# KiCad board poly_kb_molecule_16x5.kicad_pcb (continued)
## Routing (per net, layer and track width the routed paths; a pad name or vN(x,y) marks a point on that pad's centre or on a via; arc(x,y) is an arc through that point) (continued)
(no net):
  vias: v1(3.81,19.05) v1(22.86,19.05) v1(41.91,19.05) v1(60.96,19.05) v1(80.01,19.05) v1(99.06,19.05) v1(118.11,19.05) v1(137.16,19.05) v1(156.21,19.05) v1(175.26,19.05) v1(194.31,19.05) v1(213.36,19.05) v1(232.41,19.05) v1(251.46,19.05) v1(270.51,19.05) v1(289.56,19.05)
/Keyboard/sheet605ED2EB/CS: length 2403.4
  Top w0.254: v1(60.2,44.45) 60.41,44.24 v1(61.37,44.24) ; v1(194.5,86.15) 193.25,86.15 v1(193.15,86.25) ; v1(80.2,48.05) 78.95,48.05 v1(78.85,48.15) ; v1(42.32,44.24) 41.36,44.24 v1(41.15,44.45) ; v1(212.6,6.35) 212.81,6.14 v1(213.77,6.14) ; v1(136.4,25.4) 136.61,25.19 v1(137.57,25.19) ; v1(23.27,44.24) 22.31,44.24 v1(22.1,44.45) ; v1(155.45,25.4) 155.66,25.19 v1(156.62,25.19) ; v1(23.27,63.29) 22.31,63.29 v1(22.1,63.5) ; v1(269.75,82.55) 269.96,82.34 v1(270.92,82.34) ; v1(175.67,6.14) 174.71,6.14 v1(174.5,6.35) ; v1(289.75,48.05) 288.5,48.05 v1(288.4,48.15) ; v1(40.75,10.05) 40.85,9.95 v1(42.1,9.95) ; v1(42.32,63.29) 41.36,63.29 v1(41.15,63.5) ; v1(232.6,29) 231.35,29 v1(231.25,29.1) ; v1(193.15,29.1) 193.25,29 v1(194.5,29) ; v1(250.7,6.35) 250.91,6.14 v1(251.87,6.14) ; v1(155.05,29.1) 155.15,29 v1(156.4,29) ; v1(21.7,10.05) 21.8,9.95 v1(23.05,9.95) ; v1(174.1,86.25) 174.2,86.15 v1(175.45,86.15) ; v1(98.3,82.55) 98.51,82.34 v1(99.47,82.34) ; v1(231.65,25.4) 231.86,25.19 v1(232.82,25.19) ; v1(116.95,86.25) 117.05,86.15 v1(118.3,86.15) ; v1(21.7,86.25) 21.8,86.15 v1(23.05,86.15) ; v1(21.7,67.2) 21.8,67.1 v1(23.05,67.1) ; v1(174.1,48.15) 174.2,48.05 v1(175.45,48.05) ; v1(79.25,6.35) 79.46,6.14 v1(80.42,6.14) ; v1(251.87,63.29) 250.91,63.29 v1(250.7,63.5) ; v1(61.37,6.14) 60.41,6.14 v1(60.2,6.35) ; v1(42.1,67.1) 40.85,67.1 v1(40.75,67.2) ; v1(231.25,86.25) 231.35,86.15 v1(232.6,86.15) ; v1(232.6,67.1) 231.35,67.1 v1(231.25,67.2) ; v1(4.22,25.19) 3.26,25.19 v1(3.05,25.4) ; v1(251.87,82.34) 250.91,82.34 v1(250.7,82.55) ; v1(42.1,48.05) 40.85,48.05 v1(40.75,48.15) ; v1(213.55,9.95) 212.3,9.95 v1(212.2,10.05) ; v1(213.77,44.24) 212.81,44.24 v1(212.6,44.45) ; v1(136,29.1) 136.1,29 v1(137.35,29) ; v1(194.5,9.95) 193.25,9.95 v1(193.15,10.05) ; v1(118.3,29) 117.05,29 v1(116.95,29.1) ; v1(61.37,82.34) 60.41,82.34 v1(60.2,82.55) ; v1(250.7,44.45) 250.91,44.24 v1(251.87,44.24) ; v1(117.35,6.35) 117.56,6.14 v1(118.52,6.14) ; v1(79.25,82.55) 79.46,82.34 v1(80.42,82.34) ; v1(118.3,9.95) 117.05,9.95 v1(116.95,10.05) ; v1(22.1,6.35) 22.31,6.14 v1(23.27,6.14) ; v1(155.05,48.15) 155.15,48.05 v1(156.4,48.05) ; v1(213.55,48.05) 212.3,48.05 v1(212.2,48.15) ; v1(155.05,67.2) 155.15,67.1 v1(156.4,67.1) ; v1(213.77,63.29) 212.81,63.29 v1(212.6,63.5) ; v1(80.42,25.19) 79.46,25.19 v1(79.25,25.4) ; v1(232.6,48.05) 231.35,48.05 v1(231.25,48.15) ; v1(98.3,25.4) 98.51,25.19 v1(99.47,25.19) ; v1(156.4,9.95) 155.15,9.95 v1(155.05,10.05) ; v1(194.5,67.1) 193.25,67.1 v1(193.15,67.2) ; v1(79.25,63.5) 79.46,63.29 v1(80.42,63.29) ; v1(61.37,63.29) 60.41,63.29 v1(60.2,63.5) ; v1(42.32,25.19) 41.36,25.19 v1(41.15,25.4) ; v1(156.4,86.15) 155.15,86.15 v1(155.05,86.25) ; v1(137.35,48.05) 136.1,48.05 v1(136,48.15) ; v1(270.7,86.15) 269.45,86.15 v1(269.35,86.25) ; v1(232.82,63.29) 231.86,63.29 v1(231.65,63.5) ; v1(155.45,6.35) 155.66,6.14 v1(156.62,6.14) ; v1(80.42,44.24) 79.46,44.24 v1(79.25,44.45) ; v1(136.4,44.45) 136.61,44.24 v1(137.57,44.24) ; v1(4.22,63.29) 3.26,63.29 v1(3.05,63.5) ; v1(212.2,29.1) 212.3,29 v1(213.55,29) ; v1(251.65,9.95) 250.4,9.95 v1(250.3,10.05) ; v1(270.7,9.95) 269.45,9.95 v1(269.35,10.05) ; v1(40.75,29.1) 40.85,29 v1(42.1,29) ; v1(42.32,6.14) 41.36,6.14 v1(41.15,6.35) ; v1(288.4,29.1) 288.5,29 v1(289.75,29) ; v1(175.45,9.95) 174.2,9.95 v1(174.1,10.05) ; v1(4,67.1) 2.75,67.1 v1(2.65,67.2) ; v1(78.85,29.1) 78.95,29 v1(80.2,29) ; v1(97.9,86.25) 98,86.15 v1(99.25,86.15) ; v1(137.35,86.15) 136.1,86.15 v1(136,86.25) ; v1(61.15,86.15) 59.9,86.15 v1(59.8,86.25) ; v1(270.92,63.29) 269.96,63.29 v1(269.75,63.5) ; v1(269.75,25.4) 269.96,25.19 v1(270.92,25.19) ; v1(251.65,67.1) 250.4,67.1 v1(250.3,67.2) ; v1(118.52,63.29) 117.56,63.29 v1(117.35,63.5) ; v1(288.4,10.05) 288.5,9.95 v1(289.75,9.95) ; v1(155.45,44.45) 155.66,44.24 v1(156.62,44.24) ; v1(289.97,44.24) 289.01,44.24 v1(288.8,44.45) ; v1(22.1,25.4) 22.31,25.19 v1(23.27,25.19) ; v1(231.65,6.35) 231.86,6.14 v1(232.82,6.14) ; v1(269.75,6.35) 269.96,6.14 v1(270.92,6.14) ; v1(118.3,48.05) 117.05,48.05 v1(116.95,48.15) ; v1(250.7,25.4) 250.91,25.19 v1(251.87,25.19) ; v1(193.55,25.4) 193.76,25.19 v1(194.72,25.19) ; v1(3.05,44.45) 3.26,44.24 v1(4.22,44.24) ; v1(212.2,86.25) 212.3,86.15 v1(213.55,86.15) ; v1(99.25,29) 98,29 v1(97.9,29.1) ; v1(213.55,67.1) 212.3,67.1 v1(212.2,67.2) ; v1(231.65,44.45) 231.86,44.24 v1(232.82,44.24) ; v1(4.22,6.14) 3.26,6.14 v1(3.05,6.35) ; v1(42.1,86.15) 40.85,86.15 v1(40.75,86.25) ; v1(80.2,86.15) 78.95,86.15 v1(78.85,86.25) ; v1(59.8,48.15) 59.9,48.05 v1(61.15,48.05) ; v1(22.1,82.55) 22.31,82.34 v1(23.27,82.34) ; v1(288.8,63.5) 289.01,63.29 v1(289.97,63.29) ; v1(136.4,6.35) 136.61,6.14 v1(137.57,6.14) ; v1(4,86.15) 2.75,86.15 v1(2.65,86.25) ; v1(97.9,67.2) 98,67.1 v1(99.25,67.1) ; v1(78.85,67.2) 78.95,67.1 v1(80.2,67.1) ; v1(117.35,44.45) 117.56,44.24 v1(118.52,44.24) ; v1(97.9,10.05) 98,9.95 v1(99.25,9.95) ; v1(2.65,10.05) 2.75,9.95 v1(4,9.95) ; v1(59.8,29.1) 59.9,29 v1(61.15,29) ; v1(98.3,63.5) 98.51,63.29 v1(99.47,63.29) ; v1(2.65,29.1) 2.75,29 v1(4,29) ; v1(212.6,82.55) 212.81,82.34 v1(213.77,82.34) ; v1(288.8,25.4) 289.01,25.19 v1(289.97,25.19) ; v1(21.7,48.15) 21.8,48.05 v1(23.05,48.05) ; v1(270.92,44.24) 269.96,44.24 v1(269.75,44.45) ; v1(231.65,82.55) 231.86,82.34 v1(232.82,82.34) ; v1(99.47,6.14) 98.51,6.14 v1(98.3,6.35) ; v1(137.57,63.29) 136.61,63.29 v1(136.4,63.5) ; v1(212.6,25.4) 212.81,25.19 v1(213.77,25.19) ; v1(136,67.2) 136.1,67.1 v1(137.35,67.1) ; v1(175.67,82.34) 174.71,82.34 v1(174.5,82.55) ; v1(175.45,29) 174.2,29 v1(174.1,29.1) ; v1(194.72,82.34) 193.76,82.34 v1(193.55,82.55) ; v1(3.05,82.55) 3.26,82.34 v1(4.22,82.34) ; v1(137.35,9.95) 136.1,9.95 v1(136,10.05) ; v1(289.75,67.1) 288.5,67.1 v1(288.4,67.2) ; v1(193.55,63.5) 193.76,63.29 v1(194.72,63.29) ; v1(59.8,10.05) 59.9,9.95 v1(61.15,9.95) ; v1(80.2,9.95) 78.95,9.95 v1(78.85,10.05) ; v1(269.35,67.2) 269.45,67.1 v1(270.7,67.1) ; v1(288.8,82.55) 289.01,82.34 v1(289.97,82.34) ; v1(194.5,48.05) 193.25,48.05 v1(193.15,48.15) ; v1(288.4,86.25) 288.5,86.15 v1(289.75,86.15) ; v1(270.7,48.05) 269.45,48.05 v1(269.35,48.15) ; v1(61.15,67.1) 59.9,67.1 v1(59.8,67.2) ; v1(232.6,9.95) 231.35,9.95 v1(231.25,10.05) ; v1(250.3,86.25) 250.4,86.15 v1(251.65,86.15) ; v1(194.72,6.14) 193.76,6.14 v1(193.55,6.35) ; v1(60.2,25.4) 60.41,25.19 v1(61.37,25.19) ; v1(118.3,67.1) 117.05,67.1 v1(116.95,67.2) ; v1(117.35,82.55) 117.56,82.34 v1(118.52,82.34) ; v1(288.8,6.35) 289.01,6.14 v1(289.97,6.14) ; v1(21.7,29.1) 21.8,29 v1(23.05,29) ; v1(118.52,25.19) 117.56,25.19 v1(117.35,25.4) ; v1(175.67,63.29) 174.71,63.29 v1(174.5,63.5) ; v1(175.67,25.19) 174.71,25.19 v1(174.5,25.4) ; v1(174.1,67.2) 174.2,67.1 v1(175.45,67.1) ; v1(250.3,29.1) 250.4,29 v1(251.65,29) ; v1(42.32,82.34) 41.36,82.34 v1(41.15,82.55) ; v1(156.62,63.29) 155.66,63.29 v1(155.45,63.5) ; v1(270.7,29) 269.45,29 v1(269.35,29.1) ; v1(155.45,82.55) 155.66,82.34 v1(156.62,82.34) ; v1(136.4,82.55) 136.61,82.34 v1(137.57,82.34) ; v1(99.47,44.24) 98.51,44.24 v1(98.3,44.45) ; v1(97.9,48.15) 98,48.05 v1(99.25,48.05) ; v1(194.72,44.24) 193.76,44.24 v1(193.55,44.45) ; v1(250.3,48.15) 250.4,48.05 v1(251.65,48.05) ; v1(175.67,44.24) 174.71,44.24 v1(174.5,44.45) ; v1(4,48.05) 2.75,48.05 v1(2.65,48.15)
  Bottom w0.25: R1#24.2 212.95,69.57 211.32,71.2 J5#75.10 ; J5#43.10 173.22,90.25 174.85,88.62 R1#41.2 ; J5#36.10 249.42,71.2 251.05,69.57 R1#66.2 ; J5#73.10 135.12,33.1 136.75,31.47 R1#78.2 ; R1#7.2 98.65,31.47 97.02,33.1 J5#30.10 ; J5#28.10 97.02,52.15 98.65,50.52 R1#23.2 ; J5#62.10 116.07,33.1 117.7,31.47 R1#71.2 ; R1#67.2 270.1,88.62 268.47,90.25 J5#68.10 ; J5#50.10 77.97,52.15 79.6,50.52 R1#6.2 ; J5#15.10 192.27,71.2 193.9,69.57 R1#59.2 ; R1#60.2 60.55,12.42 58.92,14.05 J5#9.10 ; J5#13.10 268.47,14.05 270.1,12.42 R1#21.2 ; J5#76.10 135.12,52.15 136.75,50.52 R1#35.2 ; R1#44.2 136.75,12.42 135.12,14.05 J5#52.10 ; R1#36.2 289.15,88.62 287.52,90.25 J5#78.10 ; R1#14.2 22.45,69.57 20.82,71.2 J5#38.10 ; J5#47.10 268.47,52.15 270.1,50.52 R1#77.2 ; R1#22.2 232,12.42 230.37,14.05 J5#14.10 ; J5#33.10 287.52,52.15 289.15,50.52 R1#65.2 ; R1#45.2 41.5,12.42 39.87,14.05 J5#71.10 ; J5#59.10 230.37,71.2 232,69.57 R1#18.2 ; J5#45.10 192.27,33.1 193.9,31.47 R1#69.2 ; R1#33.2 60.55,88.62 58.92,90.25 J5#56.10 ; J5#44.10 173.22,52.15 174.85,50.52 R1#80.2 ; J5#23.10 77.97,33.1 79.6,31.47 R1#19.2 ; J5#5.10 1.77,33.1 3.4,31.47 R1#8.2 ; R1#54.2 251.05,88.62 249.42,90.25 J5#58.10 ; R1#17.2 98.65,12.42 97.02,14.05 J5#12.10 ; J5#79.10 211.32,52.15 212.95,50.52 R1#76.2 ; J5#54.10 230.37,90.25 232,88.62 R1#61.2 ; R1#12.2 289.15,31.47 287.52,33.1 J5#7.10 ; J5#51.10 116.07,71.2 117.7,69.57 R1#42.2 ; R1#25.2 60.55,50.52 58.92,52.15 J5#61.10 ; R1#68.2 289.15,12.42 287.52,14.05 J5#16.10 ; R1#5.2 136.75,69.57 135.12,71.2 J5#74.10 ; J5#17.10 249.42,14.05 251.05,12.42 R1#73.2 ; J5#21.10 58.92,71.2 60.55,69.57 R1#28.2 ; R1#3.2 98.65,69.57 97.02,71.2 J5#48.10 ; J5#10.10 230.37,33.1 232,31.47 R1#27.2 ; R1#79.2 79.6,88.62 77.97,90.25 J5#22.10 ; R1#30.2 22.45,88.62 20.82,90.25 J5#65.10 ; R1#11.2 193.9,12.42 192.27,14.05 J5#37.10 ; R1#56.2 289.15,69.57 287.52,71.2 J5#70.10 ; J5#24.10 268.47,33.1 270.1,31.47 R1#49.2 ; R1#52.2 212.95,88.62 211.32,90.25 J5#20.10 ; J5.10 1.77,90.25 3.4,88.62 R1#48.2 ; J5#35.10 173.22,14.05 174.85,12.42 R1#43.2 ; R1#74.2 212.95,12.42 211.32,14.05 J5#42.10 ; R1#29.2 251.05,31.47 249.42,33.1 J5#41.10 ; R1#10.2 232,50.52 230.37,52.15 J5#2.10 ; J5#32.10 20.82,14.05 22.45,12.42 R1#13.2 ; R1#38.2 155.8,69.57 154.17,71.2 J5#25.10 ; J5#6.10 58.92,33.1 60.55,31.47 R1#72.2 ; J5#11.10 77.97,14.05 79.6,12.42 R1#57.2 ; R1#34.2 3.4,69.57 1.77,71.2 J5#53.10 ; J5#39.10 116.07,90.25 117.7,88.62 R1#63.2 ; J5#49.10 249.42,52.15 251.05,50.52 R1#37.2 ; J5#77.10 39.87,33.1 41.5,31.47 R1#75.2 ; R1#31.2 155.8,50.52 154.17,52.15 J5#72.10 ; R1#53.2 193.9,50.52 192.27,52.15 J5#80.10 ; R1#51.2 98.65,88.62 97.02,90.25 J5#46.10 ; J5#26.10 192.27,90.25 193.9,88.62 R1#46.2 ; R1#58.2 22.45,31.47 20.82,33.1 J5#63.10 ; R1#47.2 41.5,69.57 39.87,71.2 J5#69.10 ; R1#26.2 174.85,69.57 173.22,71.2 J5#60.10 ; R1#70.2 117.7,50.52 116.07,52.15 J5#18.10 ; R1#15.2 22.45,50.52 20.82,52.15 J5#8.10 ; J5#31.10 39.87,52.15 41.5,50.52 R1#9.2 ; R1#2.2 79.6,69.57 77.97,71.2 J5#29.10 ; J5#27.10 135.12,90.25 136.75,88.62 R1#62.2 ; J5#34.10 154.17,90.25 155.8,88.62 R1#50.2 ; R1#4.2 117.7,12.42 116.07,14.05 J5#66.10 ; J5#57.10 154.17,14.05 155.8,12.42 R1#39.2 ; J5#67.10 1.77,52.15 3.4,50.52 R1#16.2 ; J5#3.10 39.87,90.25 41.5,88.62 R1#20.2 ; R1.2 3.4,12.42 1.77,14.05 J5#40.10 ; J5#55.10 211.32,33.1 212.95,31.47 R1#55.2 ; R1#32.2 270.1,69.57 268.47,71.2 J5#64.10 ; R1#64.2 174.85,31.47 173.22,33.1 J5#19.10 ; J5#4.10 154.17,33.1 155.8,31.47 R1#40.2
  Bottom w0.254: 39.87,10.03 40.73,10.03 v1(40.75,10.05) 40.75,10.8 41.24,11.29 41.24,11.59 41.5,11.85 R1#45.2 ; J5#5.10 2.04,22.35 2.88,22.35 3.18,22.66 3.18,25.24 3.05,25.38 ; 211.32,25.08 212.27,25.08 v1(212.6,25.4) ; v1(99.47,6.14) 99.47,6.71 99.75,6.99 100.11,6.99 100.84,7.72 100.84,8.51 101.59,8.51 104.76,11.68 104.76,13.26 105.53,14.02 J1#59.10 ; v1(117.35,6.35) 117.02,6.03 116.07,6.03 ; J5#2.10 230.64,41.4 231.48,41.4 231.78,41.71 231.78,44.29 231.65,44.43 ; J1#38.10 86.47,52.12 85.71,51.36 85.71,49.78 82.54,46.61 81.79,46.61 81.79,45.82 81.06,45.09 80.7,45.09 80.42,44.81 v1(80.42,44.24) ; J5#77.10 40.14,22.35 40.98,22.35 41.28,22.66 41.28,25.24 41.15,25.38 ; 249.42,48.13 250.28,48.13 v1(250.3,48.15) 250.3,48.9 250.79,49.39 250.79,49.69 251.05,49.95 R1#37.2 ; v1(156.62,63.29) 156.62,63.86 156.9,64.14 157.26,64.14 157.99,64.87 157.99,65.66 158.74,65.66 161.91,68.83 161.91,70.41 162.68,71.17 J1#30.10 ; v1(41.15,6.35) 40.82,6.03 39.87,6.03 ; 62.99,65.66 61.55,67.1 v1(61.15,67.1) ; J1#29.10 276.98,90.22 276.21,89.46 276.21,87.88 273.04,84.71 272.29,84.71 272.29,83.92 271.56,83.19 271.2,83.19 270.92,82.91 v1(270.92,82.34) ; 39.87,25.08 40.82,25.08 v1(41.15,25.4) ; 3.05,6.33 3.18,6.19 3.18,3.61 2.88,3.3 2.04,3.3 J5#40.10 ; v1(212.6,6.35) 212.27,6.03 211.32,6.03 ; J1#75.10 219.82,90.22 219.06,89.46 219.06,87.88 215.89,84.71 215.14,84.71 215.14,83.92 214.41,83.19 214.05,83.19 213.77,82.91 v1(213.77,82.34) ; J5#60.10 173.49,60.45 174.33,60.45 174.63,60.76 174.63,63.34 174.5,63.48 ; 139.19,27.56 137.75,29 v1(137.35,29) ; 82.04,8.51 80.6,9.95 v1(80.2,9.95) ; J1#68.10 162.68,14.02 161.91,13.26 161.91,11.68 158.74,8.51 157.99,8.51 157.99,7.72 157.26,6.99 156.9,6.99 156.62,6.71 v1(156.62,6.14) ; 174.5,82.53 174.63,82.39 174.63,79.81 174.33,79.5 173.49,79.5 J5#43.10 ; v1(289.97,44.24) 289.97,44.81 290.25,45.09 290.61,45.09 291.34,45.82 291.34,46.61 292.09,46.61 295.26,49.78 295.26,51.36 296.02,52.12 J1#45.10 ; v1(42.1,9.95) 42.5,9.95 43.94,8.51 ; 120.14,84.71 118.7,86.15 v1(118.3,86.15) ; J5#47.10 268.74,41.4 269.58,41.4 269.88,41.71 269.88,44.29 269.75,44.43 ; 253.49,84.71 252.05,86.15 v1(251.65,86.15) ; 249.42,86.23 250.28,86.23 v1(250.3,86.25) 250.3,87 250.79,87.49 250.79,87.79 251.05,88.05 R1#54.2 ; v1(156.62,44.24) 156.62,44.81 156.9,45.09 157.26,45.09 157.99,45.82 157.99,46.61 158.74,46.61 161.91,49.78 161.91,51.36 162.68,52.12 J1#27.10 ; v1(232.6,29) 233,29 234.44,27.56 ; 1.77,67.18 2.63,67.18 v1(2.65,67.2) 2.65,67.95 3.14,68.44 3.14,68.74 3.4,69 R1#34.2 ; J5#22.10 78.24,79.5 79.08,79.5 79.38,79.81 79.38,82.39 79.25,82.53 ; J5#69.10 40.14,60.45 40.98,60.45 41.28,60.76 41.28,63.34 41.15,63.48 ; v1(175.67,25.19) 175.67,25.76 175.95,26.04 176.31,26.04 177.04,26.77 177.04,27.56 177.79,27.56 180.96,30.73 180.96,32.31 181.72,33.07 J1#19.10 ; J1#13.10 48.38,90.22 47.61,89.46 47.61,87.88 44.44,84.71 43.69,84.71 43.69,83.92 42.96,83.19 42.6,83.19 42.32,82.91 v1(42.32,82.34) ; v1(42.32,44.24) 42.32,44.81 42.6,45.09 42.96,45.09 43.69,45.82 43.69,46.61 44.44,46.61 47.61,49.78 47.61,51.36 48.38,52.12 J1#17.10 ; 135.12,86.23 135.98,86.23 v1(136,86.25) 136,87 136.49,87.49 136.49,87.79 136.75,88.05 R1#62.2 ; 97.02,48.13 97.88,48.13 v1(97.9,48.15) 97.9,48.9 98.39,49.39 98.39,49.69 98.65,49.95 R1#23.2 ; v1(137.35,86.15) 137.75,86.15 139.19,84.71 ; J5#57.10 154.44,3.3 155.28,3.3 155.58,3.61 155.58,6.19 155.45,6.33 ; J5#3.10 40.14,79.5 40.98,79.5 41.28,79.81 41.28,82.39 41.15,82.53 ; 154.17,63.17 155.12,63.17 v1(155.45,63.5) ; R1#42.2 117.7,69 117.44,68.74 117.44,68.44 116.95,67.95 v1(116.95,67.2) 116.93,67.18 116.07,67.18 ; J1#55.10 48.38,14.02 47.61,13.26 47.61,11.68 44.44,8.51 43.69,8.51 43.69,7.72 42.96,6.99 42.6,6.99 42.32,6.71 v1(42.32,6.14) ; 249.42,82.22 250.37,82.22 v1(250.7,82.55) ; 116.07,10.03 116.93,10.03 v1(116.95,10.05) 116.95,10.8 117.44,11.29 117.44,11.59 117.7,11.85 R1#4.2 ; 5.84,65.66 4.4,67.1 v1(4,67.1) ; 43.94,65.66 42.5,67.1 v1(42.1,67.1) ; R1#27.2 232,30.9 231.74,30.64 231.74,30.34 231.25,29.85 v1(231.25,29.1) 231.23,29.08 230.37,29.08 ; 82.04,46.61 80.6,48.05 v1(80.2,48.05) ; v1(136.4,44.45) 136.07,44.12 135.12,44.12 ; 268.47,44.12 269.42,44.12 v1(269.75,44.45) ; 82.04,84.71 80.6,86.15 v1(80.2,86.15) ; v1(194.72,63.29) 194.72,63.86 195,64.14 195.36,64.14 196.09,64.87 196.09,65.66 196.84,65.66 200.01,68.83 200.01,70.41 200.78,71.17 J1#14.10 ; v1(99.25,29) 99.65,29 101.09,27.56 ; J1#40.10 219.82,52.12 219.06,51.36 219.06,49.78 215.89,46.61 215.14,46.61 215.14,45.82 214.41,45.09 214.05,45.09 213.77,44.81 v1(213.77,44.24) ; J1#48.10 238.88,52.12 238.11,51.36 238.11,49.78 234.94,46.61 234.19,46.61 234.19,45.82 233.46,45.09 233.1,45.09 232.82,44.81 v1(232.82,44.24) ; 212.6,25.38 212.73,25.24 212.73,22.66 212.43,22.35 211.59,22.35 J5#55.10 ; v1(193.55,25.4) 193.22,25.08 192.27,25.08 ; v1(289.97,6.14) 289.97,6.71 290.25,6.99 290.61,6.99 291.34,7.72 291.34,8.51 292.09,8.51 295.26,11.68 295.26,13.26 296.02,14.02 J1#44.10 ; 173.22,25.08 174.17,25.08 v1(174.5,25.4) ; J1#49.10 296.02,33.07 295.26,32.31 295.26,30.73 292.09,27.56 291.34,27.56 291.34,26.77 290.61,26.04 290.25,26.04 289.97,25.76 v1(289.97,25.19) ; 268.47,10.03 269.33,10.03 v1(269.35,10.05) 269.35,10.8 269.84,11.29 269.84,11.59 270.1,11.85 R1#21.2 ; 173.22,63.17 174.17,63.17 v1(174.5,63.5) ; 155.45,82.53 155.58,82.39 155.58,79.81 155.28,79.5 154.44,79.5 J5#34.10 ; v1(23.27,25.19) 23.27,25.76 23.55,26.04 23.91,26.04 24.64,26.77 24.64,27.56 25.39,27.56 28.56,30.73 28.56,32.31 29.33,33.07 J1#3.10 ; J1#4.10 67.42,33.07 66.66,32.31 66.66,30.73 63.49,27.56 62.74,27.56 62.74,26.77 62.01,26.04 61.65,26.04 61.37,25.76 v1(61.37,25.19) ; 211.32,10.03 212.18,10.03 v1(212.2,10.05) 212.2,10.8 212.69,11.29 212.69,11.59 212.95,11.85 R1#74.2 ; J5#15.10 192.54,60.45 193.38,60.45 193.68,60.76 193.68,63.34 193.55,63.48 ; 272.54,46.61 271.1,48.05 v1(270.7,48.05) ; v1(175.45,9.95) 175.85,9.95 177.29,8.51 ; v1(137.57,6.14) 137.57,6.71 137.85,6.99 138.21,6.99 138.94,7.72 138.94,8.51 139.69,8.51 142.86,11.68 142.86,13.26 143.62,14.02 J1#23.10 ; 272.54,84.71 271.1,86.15 v1(270.7,86.15) ; 230.37,67.18 231.23,67.18 v1(231.25,67.2) 231.25,67.95 231.74,68.44 231.74,68.74 232,69 R1#18.2 ; v1(155.45,82.55) 155.12,82.22 154.17,82.22 ; 58.92,44.12 59.87,44.12 v1(60.2,44.45) ; 79.25,6.33 79.38,6.19 79.38,3.61 79.08,3.3 78.24,3.3 J5#11.10 ; 97.02,44.12 97.97,44.12 v1(98.3,44.45) ; 139.19,65.66 137.75,67.1 v1(137.35,67.1) ; R1#60.2 60.55,11.85 60.29,11.59 60.29,11.29 59.8,10.8 v1(59.8,10.05) 59.78,10.03 58.92,10.03 ; v1(175.45,67.1) 175.85,67.1 177.29,65.66 ; v1(117.35,44.45) 117.02,44.12 116.07,44.12 ; v1(231.65,63.5) 231.32,63.17 230.37,63.17 ; 291.59,46.61 290.15,48.05 v1(289.75,48.05) ; J5#23.10 78.24,22.35 79.08,22.35 79.38,22.66 79.38,25.24 79.25,25.38 ; 268.47,82.22 269.42,82.22 v1(269.75,82.55) ; 116.07,25.08 117.02,25.08 v1(117.35,25.4) ; v1(232.82,82.34) 232.82,82.91 233.1,83.19 233.46,83.19 234.19,83.92 234.19,84.71 234.94,84.71 238.11,87.88 238.11,89.46 238.88,90.22 J1#61.10 ; 154.17,44.12 155.12,44.12 v1(155.45,44.45) ; R1#48.2 3.4,88.05 3.14,87.79 3.14,87.49 2.65,87 v1(2.65,86.25) 2.63,86.23 1.77,86.23 ; J5#17.10 249.69,3.3 250.53,3.3 250.83,3.61 250.83,6.19 250.7,6.33 ; 120.14,27.56 118.7,29 v1(118.3,29) ; v1(136.4,82.55) 136.07,82.22 135.12,82.22 ; v1(23.27,63.29) 23.27,63.86 23.55,64.14 23.91,64.14 24.64,64.87 24.64,65.66 25.39,65.66 28.56,68.83 28.56,70.41 29.33,71.17 J1#58.10 ; 39.87,44.12 40.82,44.12 v1(41.15,44.45) ; 288.8,63.48 288.93,63.34 288.93,60.76 288.63,60.45 287.79,60.45 J5#70.10 ; J1#79.10 296.02,90.22 295.26,89.46 295.26,87.88 292.09,84.71 291.34,84.71 291.34,83.92 290.61,83.19 290.25,83.19 289.97,82.91 v1(289.97,82.34) ; J1#18.10 181.72,90.22 180.96,89.46 180.96,87.88 177.79,84.71 177.04,84.71 177.04,83.92 176.31,83.19 175.95,83.19 175.67,82.91 v1(175.67,82.34) ; 5.84,27.56 4.4,29 v1(4,29) ; 60.2,44.43 60.33,44.29 60.33,41.71 60.03,41.4 59.19,41.4 J5#61.10 ; 1.77,25.08 2.72,25.08 v1(3.05,25.4) ; R1#70.2 117.7,49.95 117.44,49.69 117.44,49.39 116.95,48.9 v1(116.95,48.15) 116.93,48.13 116.07,48.13 ; 288.8,44.43 288.93,44.29 288.93,41.71 288.63,41.4 287.79,41.4 J5#33.10 ; 231.65,82.53 231.78,82.39 231.78,79.81 231.48,79.5 230.64,79.5 J5#54.10 ; R1#14.2 22.45,69 22.19,68.74 22.19,68.44 21.7,67.95 v1(21.7,67.2) 21.68,67.18 20.82,67.18 ; J1#76.10 105.53,90.22 104.76,89.46 104.76,87.88 101.59,84.71 100.84,84.71 100.84,83.92 100.11,83.19 99.75,83.19 99.47,82.91 v1(99.47,82.34) ; 39.87,67.18 40.73,67.18 v1(40.75,67.2) 40.75,67.95 41.24,68.44 41.24,68.74 41.5,69 R1#47.2 ; R1#5.2 136.75,69 136.49,68.74 136.49,68.44 136,67.95 v1(136,67.2) 135.98,67.18 135.12,67.18 ; 287.52,48.13 288.38,48.13 v1(288.4,48.15) 288.4,48.9 288.89,49.39 288.89,49.69 289.15,49.95 R1#65.2 ; J5#27.10 135.39,79.5 136.23,79.5 136.53,79.81 136.53,82.39 136.4,82.53 ; 173.22,86.23 174.08,86.23 v1(174.1,86.25) 174.1,87 174.59,87.49 174.59,87.79 174.85,88.05 R1#41.2 ; J5#49.10 249.69,41.4 250.53,41.4 250.83,41.71 250.83,44.29 250.7,44.43 ; 231.65,25.38 231.78,25.24 231.78,22.66 231.48,22.35 230.64,22.35 J5#10.10 ; 5.84,84.71 4.4,86.15 v1(4,86.15) ; v1(156.4,48.05) 156.8,48.05 158.24,46.61 ; 269.75,82.53 269.88,82.39 269.88,79.81 269.58,79.5 268.74,79.5 J5#68.10 ; 269.75,6.33 269.88,6.19 269.88,3.61 269.58,3.3 268.74,3.3 J5#13.10 ; J1#33.10 105.53,71.17 104.76,70.41 104.76,68.83 101.59,65.66 100.84,65.66 100.84,64.87 100.11,64.14 99.75,64.14 99.47,63.86 v1(99.47,63.29) ; v1(3.05,6.35) 2.72,6.03 1.77,6.03 ; J5#52.10 135.39,3.3 136.23,3.3 136.53,3.61 136.53,6.19 136.4,6.33 ; J5#28.10 97.29,41.4 98.13,41.4 98.43,41.71 98.43,44.29 98.3,44.43 ; v1(155.45,6.35) 155.12,6.03 154.17,6.03 ; v1(251.65,48.05) 252.05,48.05 253.49,46.61 ; J1#28.10 143.62,71.17 142.86,70.41 142.86,68.83 139.69,65.66 138.94,65.66 138.94,64.87 138.21,64.14 137.85,64.14 137.57,63.86 v1(137.57,63.29) ; 230.37,44.12 231.32,44.12 v1(231.65,44.45) ; v1(79.25,82.55) 78.92,82.22 77.97,82.22 ; J5#73.10 135.39,22.35 136.23,22.35 136.53,22.66 136.53,25.24 136.4,25.38 ; v1(269.75,63.5) 269.42,63.17 268.47,63.17 ; J5#35.10 173.49,3.3 174.33,3.3 174.63,3.61 174.63,6.19 174.5,6.33 ; v1(117.35,82.55) 117.02,82.22 116.07,82.22 ; J5#29.10 78.24,60.45 79.08,60.45 79.38,60.76 79.38,63.34 79.25,63.48 ; 58.92,25.08 59.87,25.08 v1(60.2,25.4) ; J5#76.10 135.39,41.4 136.23,41.4 136.53,41.71 136.53,44.29 136.4,44.43 ; 120.14,46.61 118.7,48.05 v1(118.3,48.05) ; J1#11.10 124.57,14.02 123.81,13.26 123.81,11.68 120.64,8.51 119.89,8.51 119.89,7.72 119.16,6.99 118.8,6.99 118.52,6.71 v1(118.52,6.14) ; J5#12.10 97.29,3.3 98.13,3.3 98.43,3.61 98.43,6.19 98.3,6.33 ; v1(251.65,67.1) 252.05,67.1 253.49,65.66 ; J1#7.10 10.27,33.07 9.51,32.31 9.51,30.73 6.34,27.56 5.59,27.56 5.59,26.77 4.86,26.04 4.5,26.04 4.22,25.76 v1(4.22,25.19) ; J5#39.10 116.34,79.5 117.18,79.5 117.48,79.81 117.48,82.39 117.35,82.53 ; R1#24.2 212.95,69 212.69,68.74 212.69,68.44 212.2,67.95 v1(212.2,67.2) 212.18,67.18 211.32,67.18 ; v1(23.27,82.34) 23.27,82.91 23.55,83.19 23.91,83.19 24.64,83.92 24.64,84.71 25.39,84.71 28.56,87.88 28.56,89.46 29.33,90.22 J1#47.10 ; v1(175.45,86.15) 175.85,86.15 177.29,84.71 ; v1(60.2,6.35) 59.87,6.03 58.92,6.03 ; v1(118.3,9.95) 118.7,9.95 120.14,8.51 ; v1(175.67,63.29) 175.67,63.86 175.95,64.14 176.31,64.14 177.04,64.87 177.04,65.66 177.79,65.66 180.96,68.83 180.96,70.41 181.72,71.17 J1#62.10 ; 117.35,63.48 117.48,63.34 117.48,60.76 117.18,60.45 116.34,60.45 J5#51.10 ; 230.37,82.22 231.32,82.22 v1(231.65,82.55) ; R1#67.2 270.1,88.05 269.84,87.79 269.84,87.49 269.35,87 v1(269.35,86.25) 269.33,86.23 268.47,86.23 ; R1#28.2 60.55,69 60.29,68.74 60.29,68.44 59.8,67.95 v1(59.8,67.2) 59.78,67.18 58.92,67.18 ; R1#22.2 232,11.85 231.74,11.59 231.74,11.29 231.25,10.8 v1(231.25,10.05) 231.23,10.03 230.37,10.03 ; v1(155.45,25.4) 155.12,25.08 154.17,25.08 ; 155.45,44.43 155.58,44.29 155.58,41.71 155.28,41.4 154.44,41.4 J5#72.10 ; R1#80.2 174.85,49.95 174.59,49.69 174.59,49.39 174.1,48.9 v1(174.1,48.15) 174.08,48.13 173.22,48.13 ; R1#30.2 22.45,88.05 22.19,87.79 22.19,87.49 21.7,87 v1(21.7,86.25) 21.68,86.23 20.82,86.23 ; 196.34,84.71 194.9,86.15 v1(194.5,86.15) ; v1(289.97,63.29) 289.97,63.86 290.25,64.14 290.61,64.14 291.34,64.87 291.34,65.66 292.09,65.66 295.26,68.83 295.26,70.41 296.02,71.17 J1#52.10 ; 20.82,10.03 21.68,10.03 v1(21.7,10.05) 21.7,10.8 22.19,11.29 22.19,11.59 22.45,11.85 R1#13.2 ; 1.77,82.22 2.72,82.22 v1(3.05,82.55) ; 60.2,25.38 60.33,25.24 60.33,22.66 60.03,22.35 59.19,22.35 J5#6.10 ; J5#14.10 230.64,3.3 231.48,3.3 231.78,3.61 231.78,6.19 231.65,6.33 ; 287.52,10.03 288.38,10.03 v1(288.4,10.05) 288.4,10.8 288.89,11.29 288.89,11.59 289.15,11.85 R1#68.2 ; 101.09,65.66 99.65,67.1 v1(99.25,67.1) ; R1#58.2 22.45,30.9 22.19,30.64 22.19,30.34 21.7,29.85 v1(21.7,29.1) 21.68,29.08 20.82,29.08 ; v1(3.05,44.45) 2.72,44.12 1.77,44.12 ; v1(270.92,63.29) 270.92,63.86 271.2,64.14 271.56,64.14 272.29,64.87 272.29,65.66 273.04,65.66 276.21,68.83 276.21,70.41 276.98,71.17 J1#34.10 ; R1#31.2 155.8,49.95 155.54,49.69 155.54,49.39 155.05,48.9 v1(155.05,48.15) 155.03,48.13 154.17,48.13 ; 272.54,27.56 271.1,29 v1(270.7,29) ; R1#2.2 79.6,69 79.34,68.74 79.34,68.44 78.85,67.95 v1(78.85,67.2) 78.83,67.18 77.97,67.18 ; 135.12,48.13 135.98,48.13 v1(136,48.15) 136,48.9 136.49,49.39 136.49,49.69 136.75,49.95 R1#35.2 ; J5#48.10 97.29,60.45 98.13,60.45 98.43,60.76 98.43,63.34 98.3,63.48 ; v1(251.65,29) 252.05,29 253.49,27.56 ; v1(193.55,6.35) 193.22,6.03 192.27,6.03 ; 196.34,65.66 194.9,67.1 v1(194.5,67.1) ; J1#69.10 48.38,33.07 47.61,32.31 47.61,30.73 44.44,27.56 43.69,27.56 43.69,26.77 42.96,26.04 42.6,26.04 42.32,25.76 v1(42.32,25.19) ; 173.22,82.22 174.17,82.22 v1(174.5,82.55) ; 62.99,27.56 61.55,29 v1(61.15,29) ; 97.02,67.18 97.88,67.18 v1(97.9,67.2) 97.9,67.95 98.39,68.44 98.39,68.74 98.65,69 R1#3.2 ; v1(231.65,25.4) 231.32,25.08 230.37,25.08 ; 291.59,65.66 290.15,67.1 v1(289.75,67.1) ; v1(99.47,25.19) 99.47,25.76 99.75,26.04 100.11,26.04 100.84,26.77 100.84,27.56 101.59,27.56 104.76,30.73 104.76,32.31 105.53,33.07 J1#80.10 ; R1#10.2 232,49.95 231.74,49.69 231.74,49.39 231.25,48.9 v1(231.25,48.15) 231.23,48.13 230.37,48.13 ; R1#51.2 98.65,88.05 98.39,87.79 98.39,87.49 97.9,87 v1(97.9,86.25) 97.88,86.23 97.02,86.23 ; v1(193.55,44.45) 193.22,44.12 192.27,44.12 ; 3.05,82.53 3.18,82.39 3.18,79.81 2.88,79.5 2.04,79.5 J5.10 ; R1#78.2 136.75,30.9 136.49,30.64 136.49,30.34 136,29.85 v1(136,29.1) 135.98,29.08 135.12,29.08 ; J5#71.10 40.14,3.3 40.98,3.3 41.28,3.61 41.28,6.19 41.15,6.33 ; v1(251.87,44.24) 251.87,44.81 252.15,45.09 252.51,45.09 253.24,45.82 253.24,46.61 253.99,46.61 257.16,49.78 257.16,51.36 257.93,52.12 J1#66.10 ; v1(269.75,6.35) 269.42,6.03 268.47,6.03 ; 253.49,8.51 252.05,9.95 v1(251.65,9.95) ; v1(23.05,48.05) 23.45,48.05 24.89,46.61 ; J1#63.10 143.62,90.22 142.86,89.46 142.86,87.88 139.69,84.71 138.94,84.71 138.94,83.92 138.21,83.19 137.85,83.19 137.57,82.91 v1(137.57,82.34) ; 250.7,63.48 250.83,63.34 250.83,60.76 250.53,60.45 249.69,60.45 J5#36.10 ; J5#42.10 211.59,3.3 212.43,3.3 212.73,3.61 212.73,6.19 212.6,6.33 ; 117.35,25.38 117.48,25.24 117.48,22.66 117.18,22.35 116.34,22.35 J5#62.10 ; 287.52,82.22 288.47,82.22 v1(288.8,82.55) ; J1#31.10 200.78,90.22 200.01,89.46 200.01,87.88 196.84,84.71 196.09,84.71 196.09,83.92 195.36,83.19 195,83.19 194.72,82.91 v1(194.72,82.34) ; R1#52.2 212.95,88.05 212.69,87.79 212.69,87.49 212.2,87 v1(212.2,86.25) 212.18,86.23 211.32,86.23 ; v1(80.42,6.14) 80.42,6.71 80.7,6.99 81.06,6.99 81.79,7.72 81.79,8.51 82.54,8.51 85.71,11.68 85.71,13.26 86.47,14.02 J1#51.10 ; v1(136.4,63.5) 136.07,63.17 135.12,63.17 ; v1(23.05,86.15) 23.45,86.15 24.89,84.71 ; v1(22.1,82.55) 21.77,82.22 20.82,82.22 ; 135.12,10.03 135.98,10.03 v1(136,10.05) 136,10.8 136.49,11.29 136.49,11.59 136.75,11.85 R1#44.2 ; 158.24,65.66 156.8,67.1 v1(156.4,67.1) ; v1(118.3,67.1) 118.7,67.1 120.14,65.66 ; v1(79.25,6.35) 78.92,6.03 77.97,6.03 ; J5#37.10 192.54,3.3 193.38,3.3 193.68,3.61 193.68,6.19 193.55,6.33 ; J1#37.10 124.57,71.17 123.81,70.41 123.81,68.83 120.64,65.66 119.89,65.66 119.89,64.87 119.16,64.14 118.8,64.14 118.52,63.86 v1(118.52,63.29) ; J5#30.10 97.29,22.35 98.13,22.35 98.43,22.66 98.43,25.24 98.3,25.38 ; 212.6,44.43 212.73,44.29 212.73,41.71 212.43,41.4 211.59,41.4 J5#79.10 ; v1(213.55,9.95) 213.95,9.95 215.39,8.51 ; 58.92,82.22 59.87,82.22 v1(60.2,82.55) ; 116.07,86.23 116.93,86.23 v1(116.95,86.25) 116.95,87 117.44,87.49 117.44,87.79 117.7,88.05 R1#63.2 ; 60.2,63.48 60.33,63.34 60.33,60.76 60.03,60.45 59.19,60.45 J5#21.10 ; v1(250.7,44.45) 250.37,44.12 249.42,44.12 ; R1#6.2 79.6,49.95 79.34,49.69 79.34,49.39 78.85,48.9 v1(78.85,48.15) 78.83,48.13 77.97,48.13 ; 192.27,67.18 193.13,67.18 v1(193.15,67.2) 193.15,67.95 193.64,68.44 193.64,68.74 193.9,69 R1#59.2 ; J5#4.10 154.44,22.35 155.28,22.35 155.58,22.66 155.58,25.24 155.45,25.38 ; 287.52,29.08 288.38,29.08 v1(288.4,29.1) 288.4,29.85 288.89,30.34 288.89,30.64 289.15,30.9 R1#12.2 ; R1#26.2 174.85,69 174.59,68.74 174.59,68.44 174.1,67.95 v1(174.1,67.2) 174.08,67.18 173.22,67.18 ; 268.47,25.08 269.42,25.08 v1(269.75,25.4) ; J1#36.10 124.57,52.12 123.81,51.36 123.81,49.78 120.64,46.61 119.89,46.61 119.89,45.82 119.16,45.09 118.8,45.09 118.52,44.81 v1(118.52,44.24) ; J1#16.10 162.68,33.07 161.91,32.31 161.91,30.73 158.74,27.56 157.99,27.56 157.99,26.77 157.26,26.04 156.9,26.04 156.62,25.76 v1(156.62,25.19) ; 39.87,29.08 40.73,29.08 v1(40.75,29.1) 40.75,29.85 41.24,30.34 41.24,30.64 41.5,30.9 R1#75.2 ; v1(4.22,44.24) 4.22,44.81 4.5,45.09 4.86,45.09 5.59,45.82 5.59,46.61 6.34,46.61 9.51,49.78 9.51,51.36 10.27,52.12 J1#12.10 ; 58.92,29.08 59.78,29.08 v1(59.8,29.1) 59.8,29.85 60.29,30.34 60.29,30.64 60.55,30.9 R1#72.2 ; J1#25.10 162.68,90.22 161.91,89.46 161.91,87.88 158.74,84.71 157.99,84.71 157.99,83.92 157.26,83.19 156.9,83.19 156.62,82.91 v1(156.62,82.34) ; R1#16.2 3.4,49.95 3.14,49.69 3.14,49.39 2.65,48.9 v1(2.65,48.15) 2.63,48.13 1.77,48.13 ; 287.52,44.12 288.47,44.12 v1(288.8,44.45) ; J5#32.10 21.09,3.3 21.93,3.3 22.23,3.61 22.23,6.19 22.1,6.33 ; v1(118.52,25.19) 118.52,25.76 118.8,26.04 119.16,26.04 119.89,26.77 119.89,27.56 120.64,27.56 123.81,30.73 123.81,32.31 124.57,33.07 J1#6.10 ; 234.44,65.66 233,67.1 v1(232.6,67.1) ; 5.84,8.51 4.4,9.95 v1(4,9.95) ; v1(232.82,6.14) 232.82,6.71 233.1,6.99 233.46,6.99 234.19,7.72 234.19,8.51 234.94,8.51 238.11,11.68 238.11,13.26 238.88,14.02 J1#73.10 ; v1(61.37,6.14) 61.37,6.71 61.65,6.99 62.01,6.99 62.74,7.72 62.74,8.51 63.49,8.51 66.66,11.68 66.66,13.26 67.42,14.02 J1#57.10 ; 77.97,29.08 78.83,29.08 v1(78.85,29.1) 78.85,29.85 79.34,30.34 79.34,30.64 79.6,30.9 R1#19.2 ; v1(61.37,63.29) 61.37,63.86 61.65,64.14 62.01,64.14 62.74,64.87 62.74,65.66 63.49,65.66 66.66,68.83 66.66,70.41 67.42,71.17 J1#65.10 ; v1(41.15,63.5) 40.82,63.17 39.87,63.17 ; v1(212.6,44.45) 212.27,44.12 211.32,44.12 ; v1(23.27,6.14) 23.27,6.71 23.55,6.99 23.91,6.99 24.64,7.72 24.64,8.51 25.39,8.51 28.56,11.68 28.56,13.26 29.33,14.02 J1#20.10 ; v1(80.42,63.29) 80.42,63.86 80.7,64.14 81.06,64.14 81.79,64.87 81.79,65.66 82.54,65.66 85.71,68.83 85.71,70.41 86.47,71.17 J1#71.10 ; v1(194.5,29) 194.9,29 196.34,27.56 ; v1(22.1,63.5) 21.77,63.17 20.82,63.17 ; v1(61.15,48.05) 61.55,48.05 62.99,46.61 ; v1(98.3,6.35) 97.97,6.03 97.02,6.03 ; J5#18.10 116.34,41.4 117.18,41.4 117.48,41.71 117.48,44.29 117.35,44.43 ; 98.3,82.53 98.43,82.39 98.43,79.81 98.13,79.5 97.29,79.5 J5#46.10 ; J5#65.10 21.09,79.5 21.93,79.5 22.23,79.81 22.23,82.39 22.1,82.53 ; v1(213.77,25.19) 213.77,25.76 214.05,26.04 214.41,26.04 215.14,26.77 215.14,27.56 215.89,27.56 219.06,30.73 219.06,32.31 219.82,33.07 J1#50.10 ; J1#70.10 67.42,52.12 66.66,51.36 66.66,49.78 63.49,46.61 62.74,46.61 62.74,45.82 62.01,45.09 61.65,45.09 61.37,44.81 v1(61.37,44.24) ; 211.32,29.08 212.18,29.08 v1(212.2,29.1) 212.2,29.85 212.69,30.34 212.69,30.64 212.95,30.9 R1#55.2 ; 20.82,6.03 21.77,6.03 v1(22.1,6.35) ; 139.19,46.61 137.75,48.05 v1(137.35,48.05) ; J5#7.10 287.79,22.35 288.63,22.35 288.93,22.66 288.93,25.24 288.8,25.38 ; v1(213.77,63.29) 213.77,63.86 214.05,64.14 214.41,64.14 215.14,64.87 215.14,65.66 215.89,65.66 219.06,68.83 219.06,70.41 219.82,71.17 J1#72.10 ; 79.25,44.43 79.38,44.29 